# KiCad board DingoPDM.kicad_pcb
date: 2025-05-06; rev: v7.5
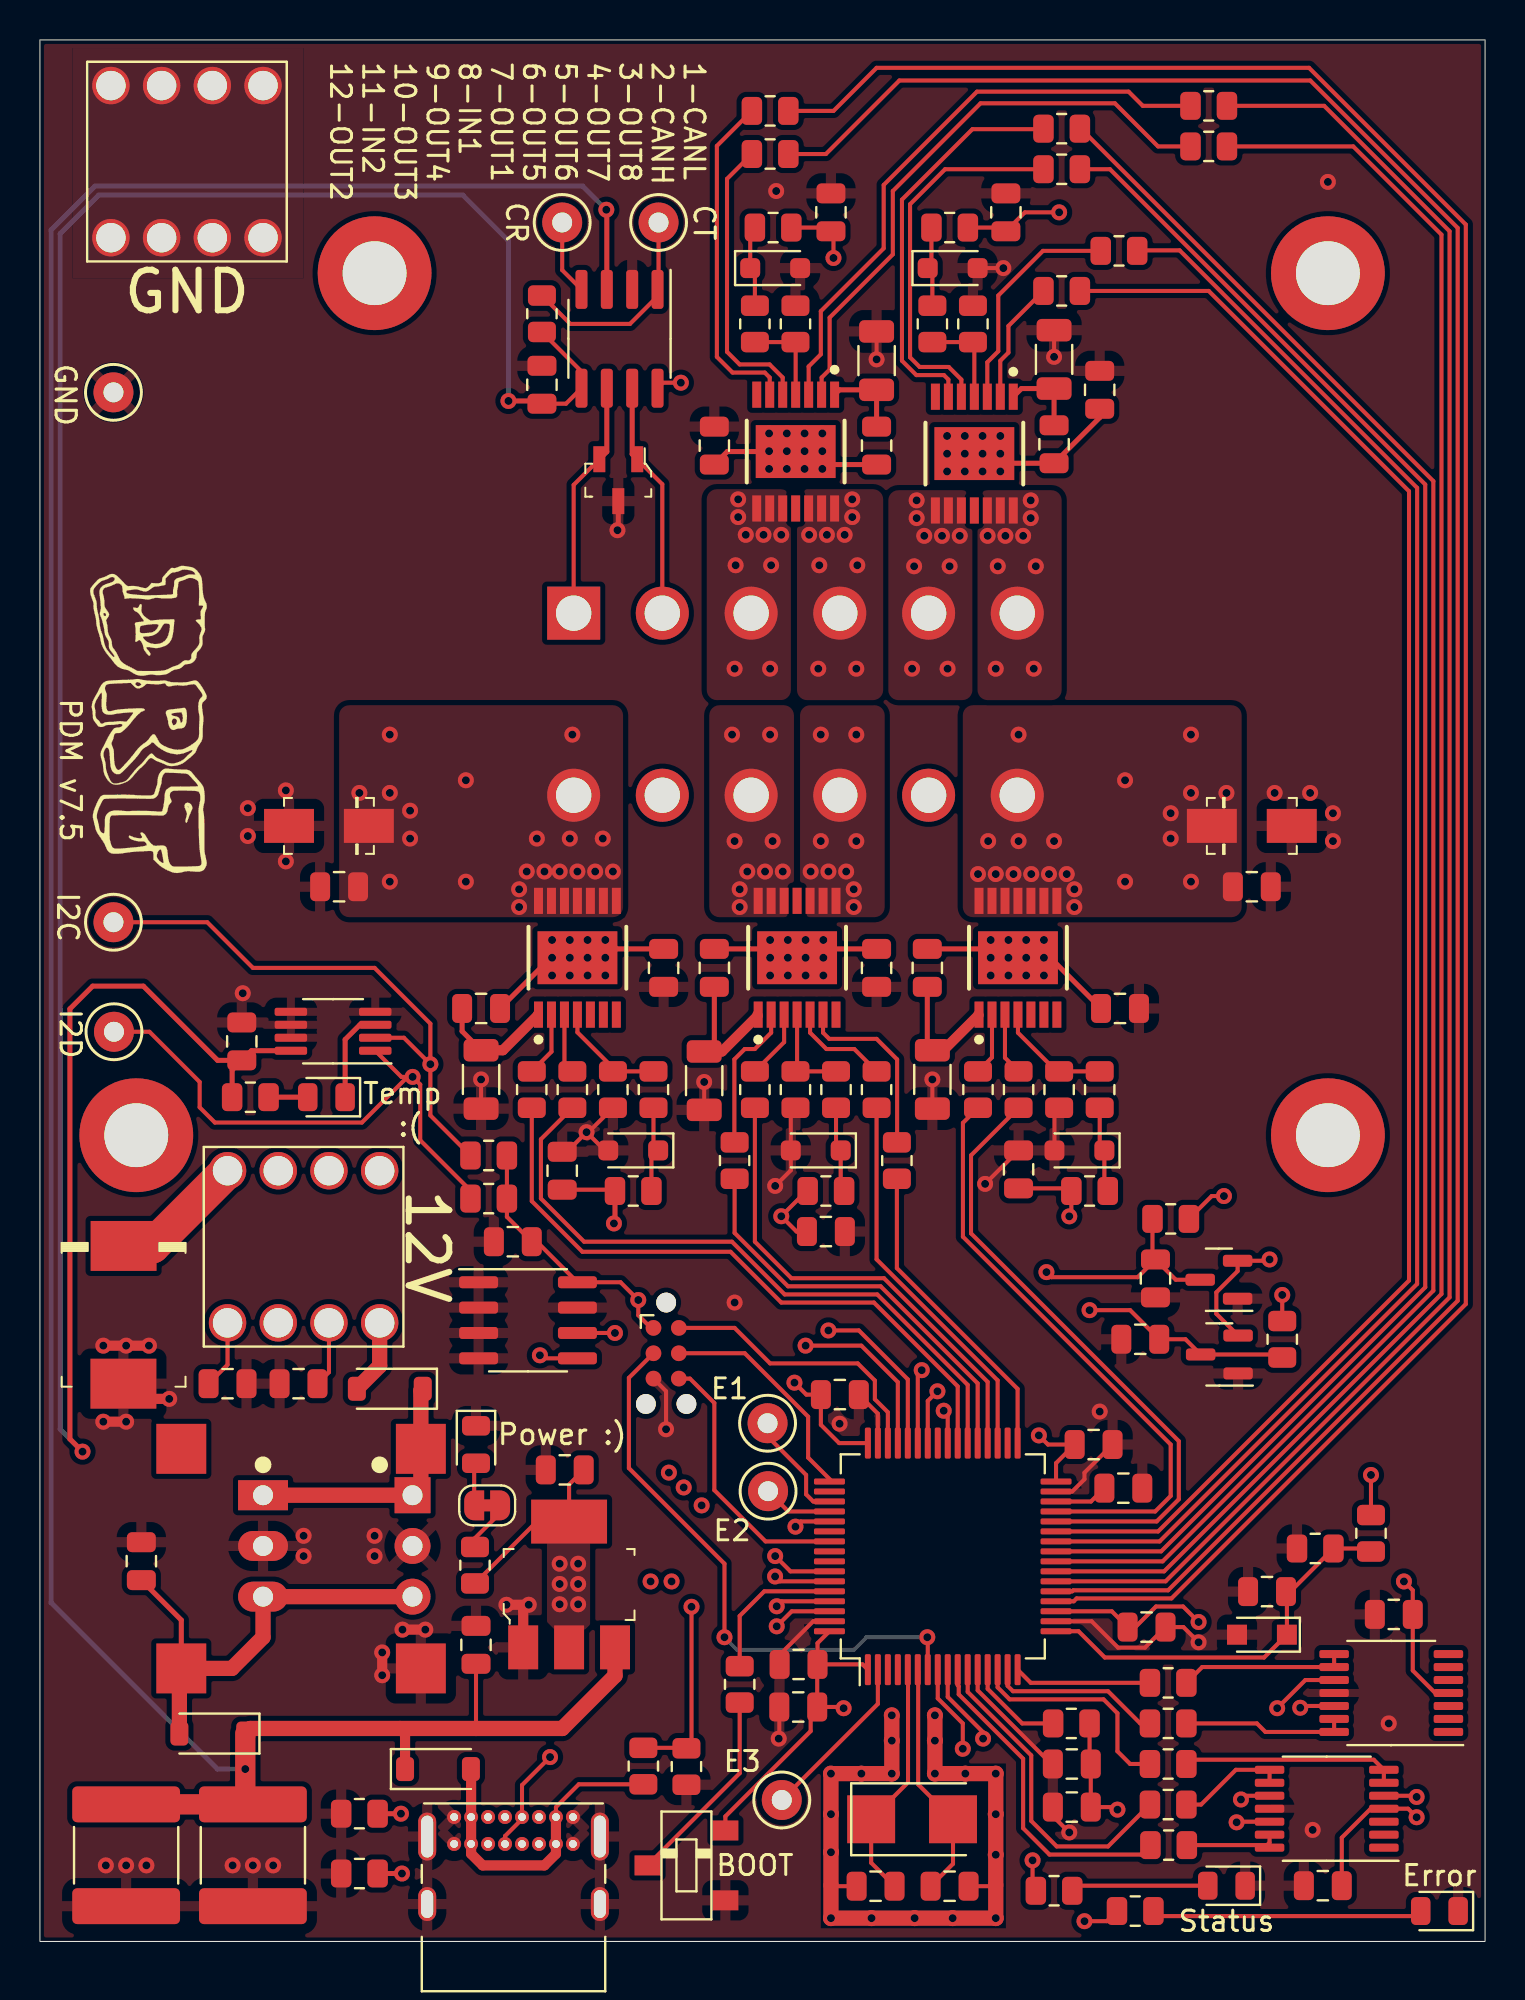
[diagram p0: board, top side]
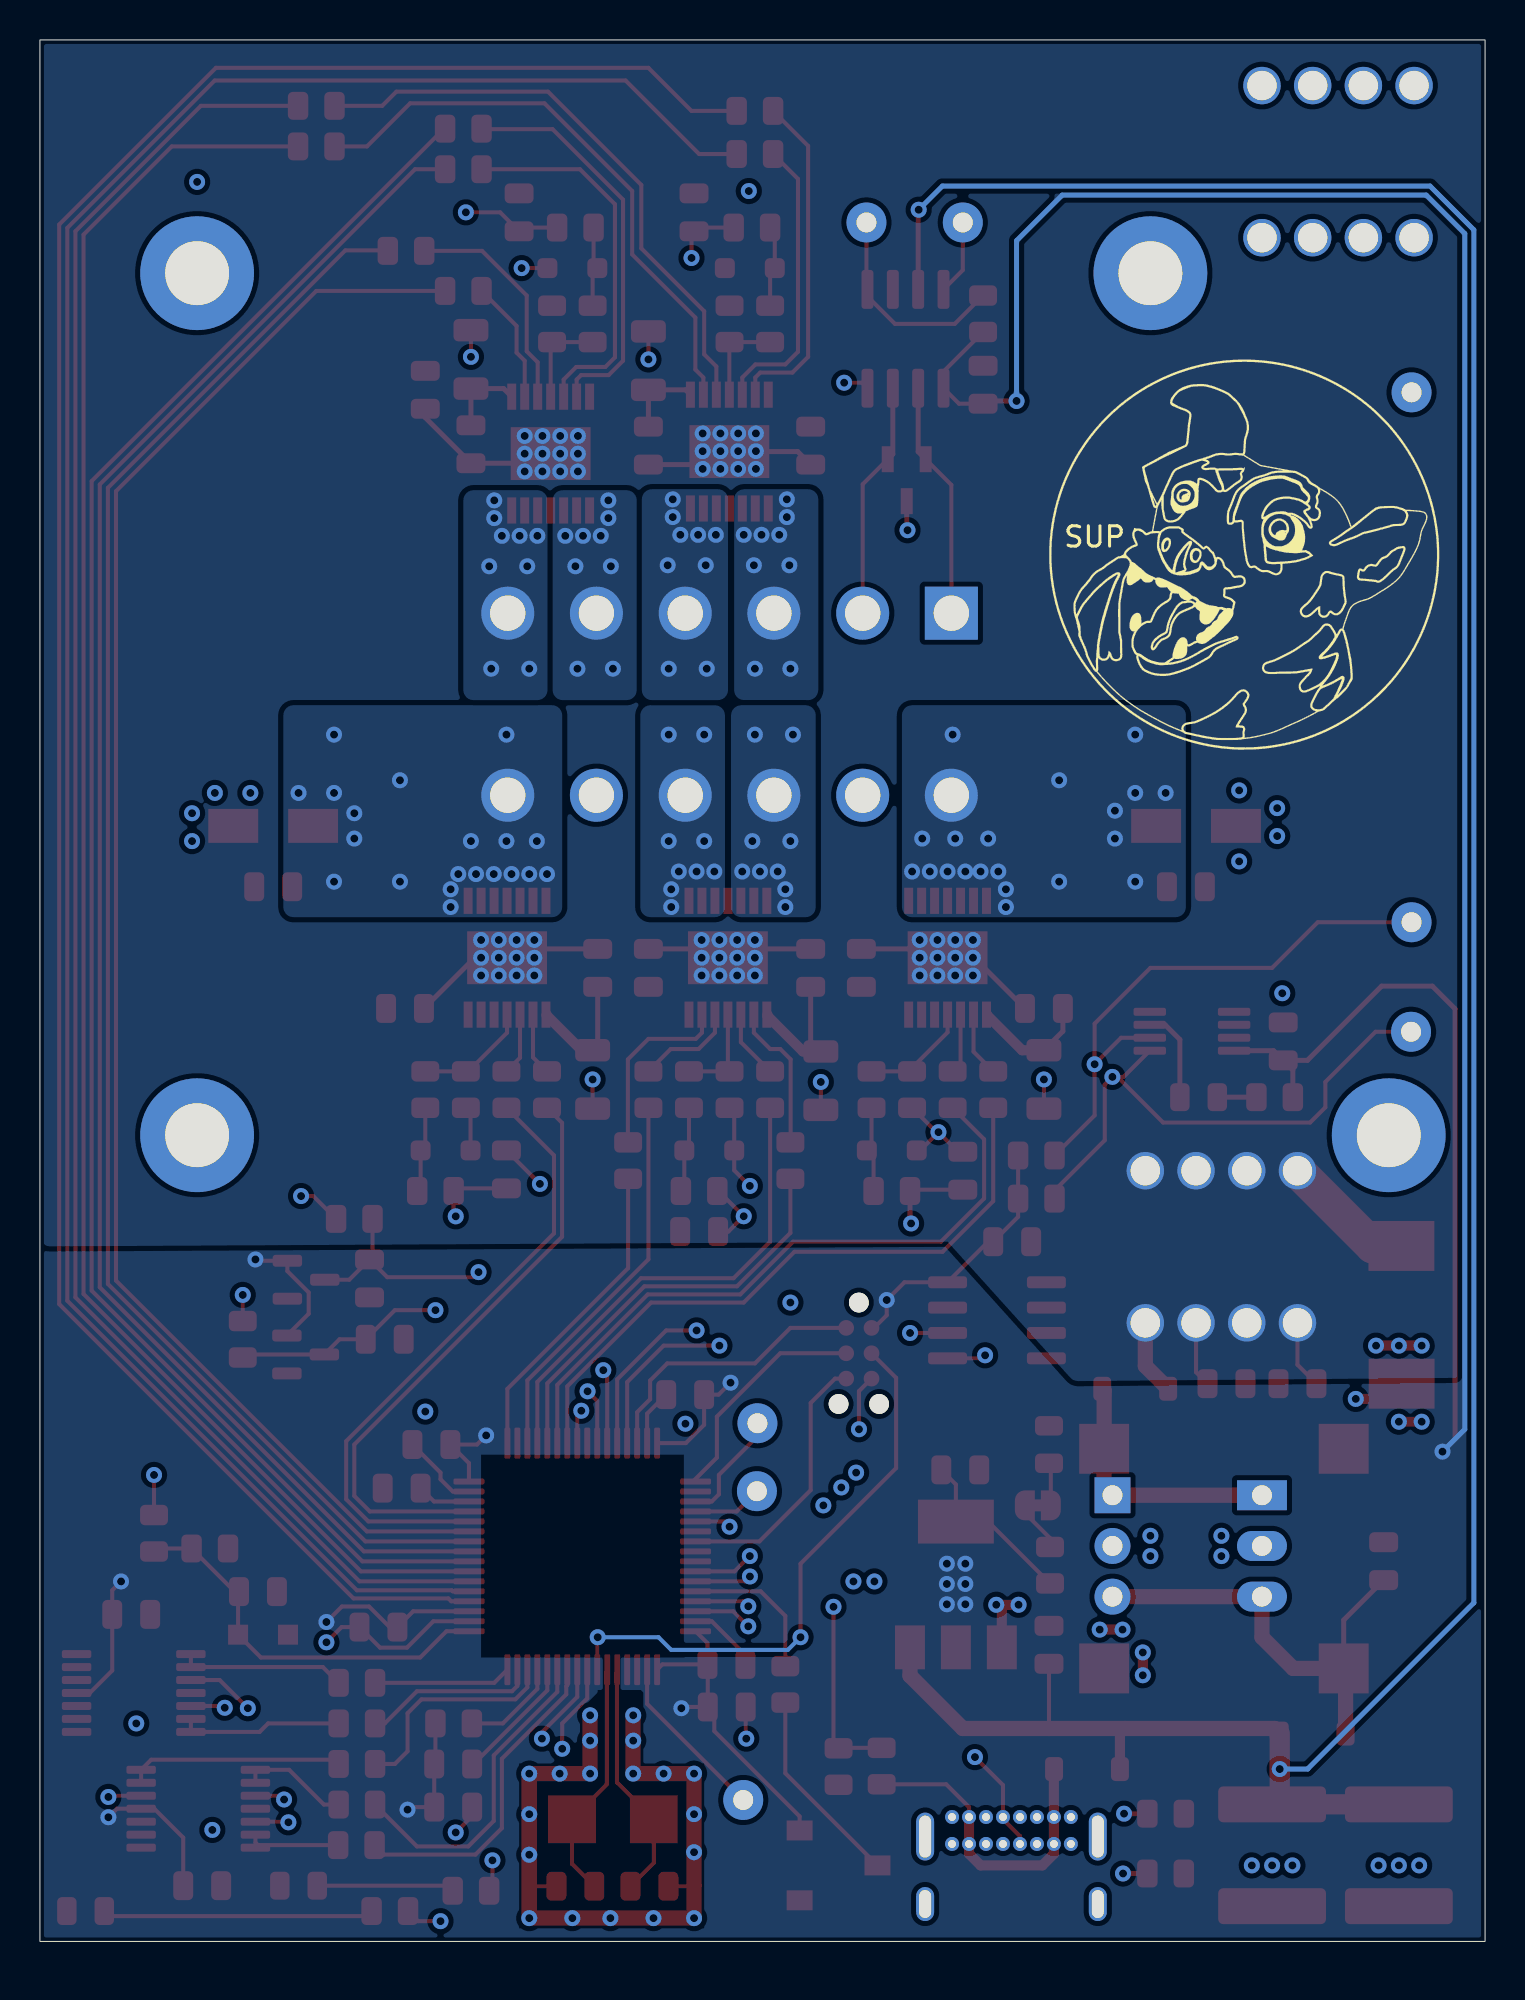
[diagram p1: board, bottom side, seen from below]

Outline 72.39 x 95.25 mm; copper layers: Top, In1.Cu, In2.Cu, Bottom. Coordinates in mm from the lower left corner of the outline.
Outline path: rectangle 0,95.25 72.39,0
Stack: Top 0.0432mm / dielectric 0.2022mm FR4 er 4.5 / In1.Cu 0.0173mm / dielectric 1.1938mm FR4 er 4.5 / In2.Cu 0.0173mm / dielectric 0.2022mm FR4 er 4.5 / Bottom 0.0432mm

## Placement (name value [footprint] x y rotation side)
C1  100nF  [C_0805_2012Metric]  61.47 17.53 180 top
C2  100nF  [C_0805_2012Metric]  9.4 27.94 0 top
C3  10uF  [C_0805_2012Metric]  12.95 27.94 180 top
C4  22uF  [C_0805_2012Metric]  5.08 19.05 90 top
C5  100nF  [C_0805_2012Metric]  21.84 14.86 90 top
C6  10uF  [C_0805_2012Metric]  26.29 23.62 180 top
C7  27pF  [C_0805_2012Metric]  41.86 2.77 180 top
C8  27pF  [C_0805_2012Metric]  45.57 2.77 0 top
C9  100nF  [C_0805_2012Metric]  25.15 77.98 90 top
C10  47nF  [C_0805_2012Metric]  50.8 75 270 top
C11  100nF  [C_0805_2012Metric]  52.78 24.89 0 top
C12  100nF  [C_0805_2012Metric]  38 13.88 180 top
C13  100nF  [C_0805_2012Metric]  40.07 27.39 0 top
C14  4.7uF  [C_0805_2012Metric]  37.99 11.75 180 top
C15  100nF  [C_0805_2012Metric]  51.69 8.89 180 top
C16  1uF  [C_0805_2012Metric]  51.69 6.73 180 top
C17  100nF  [C_0805_2012Metric]  23.69 35.05 180 top
C18  1uF  [C_0805_2012Metric]  10.11 45.09 90 top
C19  10nF  [C_0805_2012Metric]  55.12 30.16 180 top
C20  10nF  [C_0805_2012Metric]  55.88 33.21 270 top
C21  100nF  [C_0805_2012Metric]  64.26 2.79 0 top
C22  47nF  [C_0805_2012Metric]  44.45 48.77 90 top
C23  100nF  [C_0805_2012Metric]  54.1 46.74 180 top
C24  10nF  [C_0805_2012Metric]  60.71 52.83 180 top
C25  220pF  [C_0805_2012Metric]  49.02 38.67 270 top
C26  47nF  [C_0805_2012Metric]  22.1 46.74 0 top
C27  100nF  [C_0805_2012Metric]  31.24 48.77 90 top
C28  10nF  [C_0805_2012Metric]  14.99 52.83 0 top
C29  220pF  [C_0805_2012Metric]  26.16 38.61 270 top
C30  47nF  [C_0805_2012Metric]  33.78 48.77 90 top
C31  100nF  [C_0805_2012Metric]  41.91 48.77 90 top
C32  220pF  [C_0805_2012Metric]  39.37 35.56 180 top
C33  100nF  [C_0805_2012Metric]  53.09 77.72 270 top
C34  220pF  [C_0805_2012Metric]  48.39 86.61 270 top
C35  47nF  [C_0805_2012Metric]  41.91 74.93 270 top
C36  100nF  [C_0805_2012Metric]  33.78 74.93 270 top
C37  220pF  [C_0805_2012Metric]  39.62 86.61 270 top
C38  4.7uF  [C_0805_2012Metric]  54.27 22.71 0 top
C39  100nF  [C_0805_2012Metric]  55.43 15.75 0 top
C40  100nF  [C_0805_2012Metric]  67.82 16.38 0 top
C41  47uF  [C_2220_5750Metric]  4.32 4.32 270 top
C42  47uF  [C_2220_5750Metric]  10.67 4.32 270 top
D1  3.3V  [D_SOD-323_HandSoldering]  61.21 15.37 180 top
D2  SMCJ20CA  [DO-214AB_TVS]  4.19 31.39 270 top
D3  GRN  [LED_0805_2012Metric]  21.84 24.89 270 top
D4  NUP2105LT1G  [SOT-23-3]  28.97 73.2 270 top
D5  RED  [LED_0805_2012Metric]  14.35 42.29 180 top
D6  BAT54S  [SOT-23]  59.08 29.4 180 top
D7  BAT54S  [SOT-23]  59.06 33.15 180 top
D8  BYG23M  [DO-214AC]  60.71 55.88 0 top
D9  3.3V  [D_SOD-323_HandSoldering#2]  52.07 39.62 180 top
D10  BYG23M  [DO-214AC]  14.48 55.88 180 top
D11  3.3V  [D_SOD-323_HandSoldering#2]  29.72 39.62 180 top
D12  3.3V  [D_SOD-323_HandSoldering#2]  38.86 39.62 180 top
D13  3.3V  [D_SOD-323_HandSoldering#2]  45.72 83.82 0 top
D14  3.3V  [D_SOD-323_HandSoldering#2]  36.83 83.82 0 top
D15  Schottky  [D_SOD-123]  19.94 8.64 0 top
D16  RED  [LED_0805_2012Metric]  70.1 1.52 180 top
D17  GRN  [LED_0805_2012Metric]  59.44 2.79 180 top
D18  Schottky  [D_SOD-123]  8.64 10.41 180 top
D19  Schottky  [D_SOD-123]  17.53 27.69 180 top
FB1  Ferrite_Bead_Small  [R_0805_2012Metric]  51.67 10.92 180 top
G1  DRT_Logo  [DRTLogo]  5.44 61.21 270 top
G2  DingoFace  [DingoFaceNoFill]  12.06 69.47 180 bottom
H1  M3  [MountingHole_3.2mm_M3_ISO7380_Pad]  4.83 40.39 0 top
H2  M3  [MountingHole_3.2mm_M3_ISO7380_Pad]  64.52 83.57 0 top
H3  M3  [MountingHole_3.2mm_M3_ISO7380_Pad]  16.76 83.57 0 top
H4  M3  [MountingHole_3.2mm_M3_ISO7380_Pad]  64.52 40.39 0 top
J1  RedCubeTerminal  [M6_Hole_8Pin_7461084]  13.21 34.8 0 top
J2  RedCubeTerminal  [M6_Hole_8Pin_7461084]  7.37 89.15 0 top
J3  Conn_01x12  [DT15-12PA]  37.85 61.98 270 top
J4  TC  [Tag-Connect_TC2030-IDC-NL_2x03_P1.27mm_Vertical]  31.37 29.46 270 top
J5  USB_C_Receptacle_USB2.0  [USB_C_Receptacle_GCT_USB4085]  20.75 6.23 0 top
JP1  PowerLED_Jumper  [SolderJumper-2_P1.3mm_Bridged_RoundedPad1.0x1.5mm]  22.4 21.84 0 top
R1  47K  [R_0805_2012Metric]  66.67 20.45 270 top
R2  4.7K  [R_0805_2012Metric]  63.88 19.69 180 top
R3  120R  [R_0805_2012Metric]  21.79 18.85 270 top
R4  10K  [R_0805_2012Metric]  35.05 12.88 90 top
R5  1K  [R_0805_2012Metric]  25.15 81.53 270 top
R6  10K  [R_0805_2012Metric]  22.48 39.37 180 top
R7  10K  [R_0805_2012Metric]  22.48 37.21 180 top
R8  120R  [R_0805_2012Metric]  10.54 42.29 180 top
R9  4.7K  [R_0805_2012Metric]  56.64 36.2 0 top
R10  4.7K  [R_0805_2012Metric]  62.23 30.16 90 top
R11  120R  [R_0805_2012Metric]  56.52 8.89 0 top
R12  120R  [R_0805_2012Metric]  56.54 4.83 0 top
R13  4.7K  [R_0805_2012Metric]  46.99 42.67 270 top
R14  4.7K  [R_0805_2012Metric]  49.02 42.67 270 top
R15  1.2K  [R_0805_2012Metric]  51.05 42.67 270 top
R16  47R 1/4W  [R_1206_3216Metric]  44.7 43.18 90 top
R17  4.7K  [R_0805_2012Metric]  53.09 42.67 90 top
R18  4.7K  [R_0805_2012Metric]  52.58 37.59 0 top
R19  4.7K  [R_0805_2012Metric]  24.64 42.67 270 top
R20  4.7K  [R_0805_2012Metric]  26.67 42.67 270 top
R21  1.2K  [R_0805_2012Metric]  28.7 42.67 270 top
R22  47R 1/4W  [R_1206_3216Metric]  22.1 43.18 90 top
R23  4.7K  [R_0805_2012Metric]  30.73 42.67 90 top
R24  4.7K  [R_0805_2012Metric]  29.72 37.59 0 top
R25  120R  [R_0805_2012Metric]  56.52 6.86 0 top
R26  4.7K  [R_0805_2012Metric]  34.8 39.12 270 top
R27  4.7K  [R_0805_2012Metric]  35.81 42.67 270 top
R28  4.7K  [R_0805_2012Metric]  41.91 42.67 90 top
R29  4.7K  [R_0805_2012Metric]  42.93 39.12 270 top
R30  1.2K  [R_0805_2012Metric]  37.85 42.67 270 top
R31  47R 1/4W  [R_1206_3216Metric]  33.27 43.12 90 top
R32  4.7K  [R_0805_2012Metric]  39.88 42.67 90 top
R33  4.7K  [R_0805_2012Metric]  39.37 37.59 0 top
R34  4.7K  [R_0805_2012Metric]  51.18 82.68 0 top
R35  4.7K  [R_0805_2012Metric]  54.05 84.68 0 top
R36  4.7K  [R_0805_2012Metric]  51.18 88.77 180 top
R37  4.7K  [R_0805_2012Metric]  51.18 90.81 0 top
R38  1.2K  [R_0805_2012Metric]  46.74 81.03 90 top
R39  47R 1/4W  [R_1206_3216Metric]  50.8 79.25 270 top
R40  4.7K  [R_0805_2012Metric]  44.7 81.03 270 top
R41  4.7K  [R_0805_2012Metric]  45.57 85.85 180 top
R42  120R  [R_0805_2012Metric]  56.52 10.92 0 top
R43  4.7K  [R_0805_2012Metric]  58.55 89.92 0 top
R44  4.7K  [R_0805_2012Metric]  58.55 91.95 0 top
R45  4.7K  [R_0805_2012Metric]  36.58 89.53 180 top
R46  4.7K  [R_0805_2012Metric]  36.58 91.69 0 top
R47  1.2K  [R_0805_2012Metric]  37.85 81.03 90 top
R48  47R 1/4W  [R_1206_3216Metric]  41.91 79.19 270 top
R49  4.7K  [R_0805_2012Metric]  35.81 81.03 270 top
R50  4.7K  [R_0805_2012Metric]  36.73 85.85 180 top
R51  120R  [R_0805_2012Metric]  56.52 12.95 0 top
R52  120R  [R_0805_2012Metric]  54.86 1.52 0 top
R53  120R  [R_0805_2012Metric]  50.8 2.54 0 top
R54  5.1K  [R_0805_2012Metric]  16 3.4 180 top
R55  5.1K  [R_0805_2012Metric]  16 6.4 180 top
R56  4.7K  [R_0805_2012Metric]  30.23 8.79 90 top
R57  10K  [R_0805_2012Metric]  32.38 8.76 270 top
SW1  BOOT  [CJS-1200TB]  32.38 3.81 90 top
TP1  GND  [TestPoint_Keystone_5000-5004_Miniature]  3.68 77.6 0 top
TP2  CAN_T  [TestPoint_Keystone_5000-5004_Miniature]  30.99 86.11 0 top
TP3  CAN_R  [TestPoint_Keystone_5000-5004_Miniature]  26.16 86.11 0 top
TP5  I2C1_SCL  [TestPoint_Keystone_5000-5004_Miniature]  3.68 51.05 0 top
TP6  I2C1_SDA  [TestPoint_Keystone_5000-5004_Miniature]  3.71 45.57 0 top
TP8  E1  [TestPoint_Keystone_5000-5004_Miniature]  36.45 25.96 0 top
TP9  E2  [TestPoint_Keystone_5000-5004_Miniature]  36.47 22.56 0 top
TP10  E3  [TestPoint_Keystone_5000-5004_Miniature]  37.16 7.09 0 top
U1  VXO7805-500-M  [VXO78x-500-M]  13.08 19.18 270 top
U2  LD1117S33CTR  [SOT-223]  26.51 17.88 0 top
U3  PCA82C250  [SOIC-8_3.9x4.9mm_P1.27mm]  29.03 80.28 270 top
U4  STM32F446RETx  [LQFP-64_10x10mm_P0.5mm]  45.22 19.29 90 top
U5  MB85RC256V  [SOIC-8_3.9x4.9mm_P1.27mm]  24.45 31.11 0 top
U6  MCP9808  [MSOP-8_3x3mm_P0.65mm]  14.68 45.59 180 top
U7  LM324  [TSSOP-14_4.4x5mm_P0.65mm]  64.46 6.65 180 top
U8  BTS700n-1EPP  [TDSO-14]  48.99 49.28 90 top
U9  BTS700n-1EPP  [TDSO-14]  26.92 49.28 90 top
U10  BTS7008-2EPA  [TDSO-14]  46.81 74.53 270 top
U11  BTS7008-2EPA  [TDSO-14]  37.93 49.28 90 top
U12  LM324  [TSSOP-14_4.4x5mm_P0.65mm]  67.69 12.45 180 top
U13  BTS7008-2EPA  [TDSO-14]  37.86 74.63 270 top
U14  OKI-78SR-5_1.5-W36H-C  [Converter_DCDC_Murata_OKI-78SR_Horizontal]  18.66 22.35 270 top
U15  TSR_1-2450  [Converter_DCDC_TRACO_TSR-1_THT]  11.18 22.35 270 top
Y1  8mHz  [Crystal_SMD_5032-2Pin_5.0x3.2mm_HandSoldering]  43.69 6.12 0 top

## Library data of the parts
C1 C2 C5 C9 C11-C13 C15 C17 C21 C23 C27 C31 C33 C36 C39 C40 = -: Digi-Key_PN: 478-1395-1-ND; LCSC: C49678; ki_fp_filters: C_*
C3 C6 = -: Digi-Key_PN: 445-11516-1-ND; LCSC: C15850; ki_fp_filters: C_*
C4 = -: Digi-Key_PN: 490-10749-1-ND; LCSC: C45783; ki_fp_filters: C_*
C7 C8 = -: Digi-Key_PN: 478-10518-1-ND; LCSC: C1808; ki_fp_filters: C_*
C10 C22 C26 C30 C35 = -: Digi-Key_PN: 399-1166-1-ND; LCSC: C520039; ki_fp_filters: C_*
C14 C38 = -: Digi-Key_PN: 1276-2873-1-ND; LCSC: C1779; ki_fp_filters: C_*
C16 C18 = -: Digi-Key_PN: 311-1365-1-ND; LCSC: C28323; ki_fp_filters: C_*
C19 C20 C24 C28 = -: Digi-Key_PN: 311-1136-1-ND; LCSC: C1710; ki_fp_filters: C_*
C25 C29 C32 C34 C37 = -: Digi-Key_PN: 399-1138-1-ND; LCSC: C576920; ki_fp_filters: C_*
C41 C42 = -: Description: Polarized capacitor, small US symbol; Digi-Key_PN: 445-7935-1-ND; LCSC: C22388555; ki_fp_filters: CP_*
D1 D9 D11-D14 = -: Digi-Key_PN: 1727-5150-1-ND; LCSC: C426855; ki_fp_filters: TO-???* *_Diode_* *SingleDiode* D_*
D2 = -: Digi-Key_PN: SMCJ20CABCT-ND; LCSC: C2760132; ki_fp_filters: TO-???* *_Diode_* *SingleDiode* D_*
D3 D17 = -: Digi-Key_PN: 475-1410-1-ND; LCSC: C2899888; ki_fp_filters: LED* LED_SMD:* LED_THT:*
D4 = -: Digi-Key_PN: NUP2105LT1GOSCT-ND; LCSC: C2976509
D5 D16 = -: Digi-Key_PN: 475-1278-1-ND; LCSC: C2899997; ki_fp_filters: LED* LED_SMD:* LED_THT:*
D6 D7 = -: Digi-Key_PN: BAT54SLT1GOSCT-ND; LCSC: C47546; ki_fp_filters: SOT?23*
D8 D10 = -: Digi-Key_PN: BYG23M-E3/TR3GICT-ND; LCSC: C141573
D15 D18 D19 = -: Digi-Key_PN: 1727-2394-1-ND; LCSC: C179426; ki_fp_filters: TO-???* *_Diode_* *SingleDiode* D_*
FB1 = -: Digi-Key_PN: 490-1054-1-ND; LCSC: C85840; ki_fp_filters: Inductor_* L_* *Ferrite*
J1 J2 = -: Digi-Key_PN: 732-3203-ND; LCSC: C6828431
J3 = -: Digi-Key_PN: 1734-1027-ND; LCSC: C5341788; ki_fp_filters: Connector*:*_1x??_*
J4 = -: ki_fp_filters: *TC2030*
J5 = -: Digi-Key_PN: 2073-USB4085-GF-ACT-ND; LCSC: C7095263; ki_fp_filters: USB*C*Receptacle*
JP1 = -: ki_fp_filters: SolderJumper*Bridged*
R1 = -: Digi-Key_PN: 311-47.0KCRCT-ND; LCSC: C327035; ki_fp_filters: R_*
R2 R9 R10 R13 R14 R17-R20 R23 R24 R26-R29 R32-R37 R40 R41 R43-R46 R49 R50 R56 = -: Digi-Key_PN: 311-4.70KCRCT-ND; LCSC: C17673; ki_fp_filters: R_*
R3 R8 R11 R12 R25 R42 R51-R53 = -: Digi-Key_PN: 311-120CRCT-ND; LCSC: C229076; ki_fp_filters: R_*
R4 R6 R7 R57 = -: Digi-Key_PN: 311-10.0KCRDKR-ND; LCSC: C17414; ki_fp_filters: R_*
R5 = -: Digi-Key_PN: 311-1.0KARCT-ND; LCSC: C17513; ki_fp_filters: R_*
R15 R21 R30 R38 R47 = -: Digi-Key_PN: 311-1.20KCRCT-ND; LCSC: C2933520; ki_fp_filters: R_*
R16 R22 R31 R39 R48 = -: Digi-Key_PN: 311-47.0FRCT-ND; LCSC: C2907508; ki_fp_filters: R_*
R54 R55 = -: Digi-Key_PN: 311-5.1KARCT-ND; LCSC: C218638; ki_fp_filters: R_*
SW1 = -: Digi-Key_PN: 563-CJS-1200TB1CT-ND; LCSC: C2921631
TP1-TP3 TP5 TP6 TP8-TP10 = -: ki_fp_filters: Pin* Test*
U1 = -: Digi-Key_PN: 102-VXO7805-500-M-CT-ND; LCSC: C5137464
U2 = -: Digi-Key_PN: 497-1241-1-ND; LCSC: C35879
U3 = -: Digi-Key_PN: 568-10316-1-ND; LCSC: C7439; ki_fp_filters: SOIC*3.9x4.9mm*P1.27mm*
U4 = -: Datasheet: https://www.st.com/resource/en/datasheet/stm32f446re.pdf; Digi-Key_PN: 497-15376-ND; LCSC: C69336; ki_fp_filters: LQFP*10x10mm*P0.5mm*
U5 = -: Digi-Key_PN: 865-1261-1-ND; LCSC: C47538
U6 = -: Digi-Key_PN: MCP9808T-E/MSCT-ND; LCSC: C129490
U7 U12 = -: Digi-Key_PN: 497-7330-1-ND; LCSC: C7942; ki_fp_filters: SOIC*3.9x8.7mm*P1.27mm* DIP*W7.62mm* TSSOP*4.4x5mm*P0.65mm* SSOP*5.3x6.2mm*P0.65mm* MSOP*3x3mm*P0.5mm*
U8 U9 = -: Digi-Key_PN: BTS70021EPPXUMA1CT-ND; LCSC: C534824
U10 U11 U13 = -: Digi-Key_PN: BTS70082EPAXUMA1CT-ND; LCSC: C2150060
U14 = -: Datasheet: https://power.murata.com/data/power/oki-78sr.pdf; Description: 1.5A Step-Down DC/DC-Regulator, 7-36V input, 5V fixed Output Voltage, LM78xx replacement, -40°C to +85°C, OKI-78SR_Horizontal; Digi-Key_PN: 811-2692-ND; LCSC: C266374; ki_fp_filters: Converter*DCDC*Murata*OKI*78SR*Horizontal*
U15 = -: Datasheet: http://www.tracopower.com/products/tsr1.pdf; Description: 1A step-down regulator module, fixed 5V output voltage, 5-36V input voltage, -40°C to +85°C temperature range, TO-220 compatible LM78xx replacement; Digi-Key_PN: 1951-2747-ND; LCSC: C6886877; ki_fp_filters: Converter*DCDC*TRACO*TSR?1*
Y1 = -: Digi-Key_PN: 535-10630-1-ND; LCSC: C144380; ki_fp_filters: Crystal*

## Footprints (pads in the part's own frame, mm; a bottom-side part is the same pattern mirrored in y, then rotated)
C_0805_2012Metric
  rrect 1x1.45 smd: 1(-0.95,0) 2(0.95,0)
C_2220_5750Metric
  rrect 1.8x5.4 smd: 1(-2.55,0) 2(2.55,0)
CJS-1200TB
  rect 1x1.3 smd: 1(-1.75,-1.95) 2(0,1.95) 3(1.75,-1.95)
Converter_DCDC_Murata_OKI-78SR_Horizontal
  rect 1.8x1.8 hole 1: 1(0,0)
  round 1.8 hole 1: 2(2.54,0) 3(5.08,0)
Converter_DCDC_TRACO_TSR-1_THT
  rect 1.5x2.5 hole 1: 1(0,0)
  oval 1.5x2.5 hole 1: 2(2.54,0) 3(5.08,0)
Crystal_SMD_5032-2Pin_5.0x3.2mm_HandSoldering
  rect 2.4x2.4 smd: 1(-2.05,0) 2(2.05,0)
D_SOD-123
  rrect 0.9x1.2 smd: 1(-1.65,0) 2(1.65,0)
D_SOD-323_HandSoldering
  rect 1x1 smd: 1(-1.25,0) 2(1.25,0)
D_SOD-323_HandSoldering#2
  rrect 1x1 smd: 1(-1.25,0) 2(1.25,0)
DO-214AB_TVS
  rect 2.5x3.3 smd: 1(-3.45,0) 2(3.45,-0.01)
DO-214AC
  rect 2.5x1.7 smd: A(2,0) K(-2,0)
DT15-12PA
  rect 2.655x2.655 hole 1.77: 1(-4.56,-11.11)
  round 2.655 hole 1.77: 2(-4.56,-6.67) 3(-4.56,-2.22) 4(-4.56,2.22) 5(-4.56,6.67) 6(-4.56,11.11) 7(4.56,11.11) 8(4.56,6.67) 9(4.56,2.22) 10(4.56,-2.22) 11(4.56,-6.67) 12(4.56,-11.11)
LED_0805_2012Metric
  rrect 0.975x1.4 smd: 1(-0.938,0) 2(0.938,0)
LQFP-64_10x10mm_P0.5mm
  rrect 1.55x0.3 smd: 1(-5.675,3.75) 2(-5.675,3.25) 3(-5.675,2.75) 4(-5.675,2.25) 5(-5.675,1.75) 6(-5.675,1.25) 7(-5.675,0.75) 8(-5.675,0.25) 9(-5.675,-0.25) 10(-5.675,-0.75) 11(-5.675,-1.25) 12(-5.675,-1.75) 13(-5.675,-2.25) 14(-5.675,-2.75) 15(-5.675,-3.25) 16(-5.675,-3.75) 33(5.675,-3.75) 34(5.675,-3.25) 35(5.675,-2.75) 36(5.675,-2.25) 37(5.675,-1.75) 38(5.675,-1.25) 39(5.675,-0.75) 40(5.675,-0.25) 41(5.675,0.25) 42(5.675,0.75) 43(5.675,1.25) 44(5.675,1.75) 45(5.675,2.25) 46(5.675,2.75) 47(5.675,3.25) 48(5.675,3.75)
  rrect 0.3x1.55 smd: 17(-3.75,-5.675) 18(-3.25,-5.675) 19(-2.75,-5.675) 20(-2.25,-5.675) 21(-1.75,-5.675) 22(-1.25,-5.675) 23(-0.75,-5.675) 24(-0.25,-5.675) 25(0.25,-5.675) 26(0.75,-5.675) 27(1.25,-5.675) 28(1.75,-5.675) 29(2.25,-5.675) 30(2.75,-5.675) 31(3.25,-5.675) 32(3.75,-5.675) 49(3.75,5.675) 50(3.25,5.675) 51(2.75,5.675) 52(2.25,5.675) 53(1.75,5.675) 54(1.25,5.675) 55(0.75,5.675) 56(0.25,5.675) 57(-0.25,5.675) 58(-0.75,5.675) 59(-1.25,5.675) 60(-1.75,5.675) 61(-2.25,5.675) 62(-2.75,5.675) 63(-3.25,5.675) 64(-3.75,5.675)
M6_Hole_8Pin_7461084
  round 1.875 hole 1.475: 1(-3.81,3.81) 1(-3.81,-3.81) 1(-1.27,3.81) 1(-1.27,-3.81) 1(1.27,3.81) 1(1.27,-3.81) 1(3.81,3.81) 1(3.81,-3.81)
MountingHole_3.2mm_M3_ISO7380_Pad
  round 5.7 hole 3.2: 1(0,0)
MSOP-8_3x3mm_P0.65mm
  rrect 1.625x0.4 smd: 1(-2.112,0.975) 2(-2.112,0.325) 3(-2.112,-0.325) 4(-2.112,-0.975) 5(2.112,-0.975) 6(2.112,-0.325) 7(2.112,0.325) 8(2.112,0.975)
R_0805_2012Metric
  rrect 1.025x1.4 smd: 1(-0.912,0) 2(0.912,0)
R_1206_3216Metric
  rrect 1.125x1.75 smd: 1(-1.462,0) 2(1.462,0)
SOIC-8_3.9x4.9mm_P1.27mm